# Altium PCB PCB.PcbDoc
Units mm, origin at the board's own origin, x right, y up, seen from the top; angles counter-clockwise.
Board outline 100 x 100 mm, 2 copper layers (Top Layer, Bottom Layer); 89 components, 57 nets, 319 pads, 253 vias.
Unrouted connection lines stored in the file: 9.
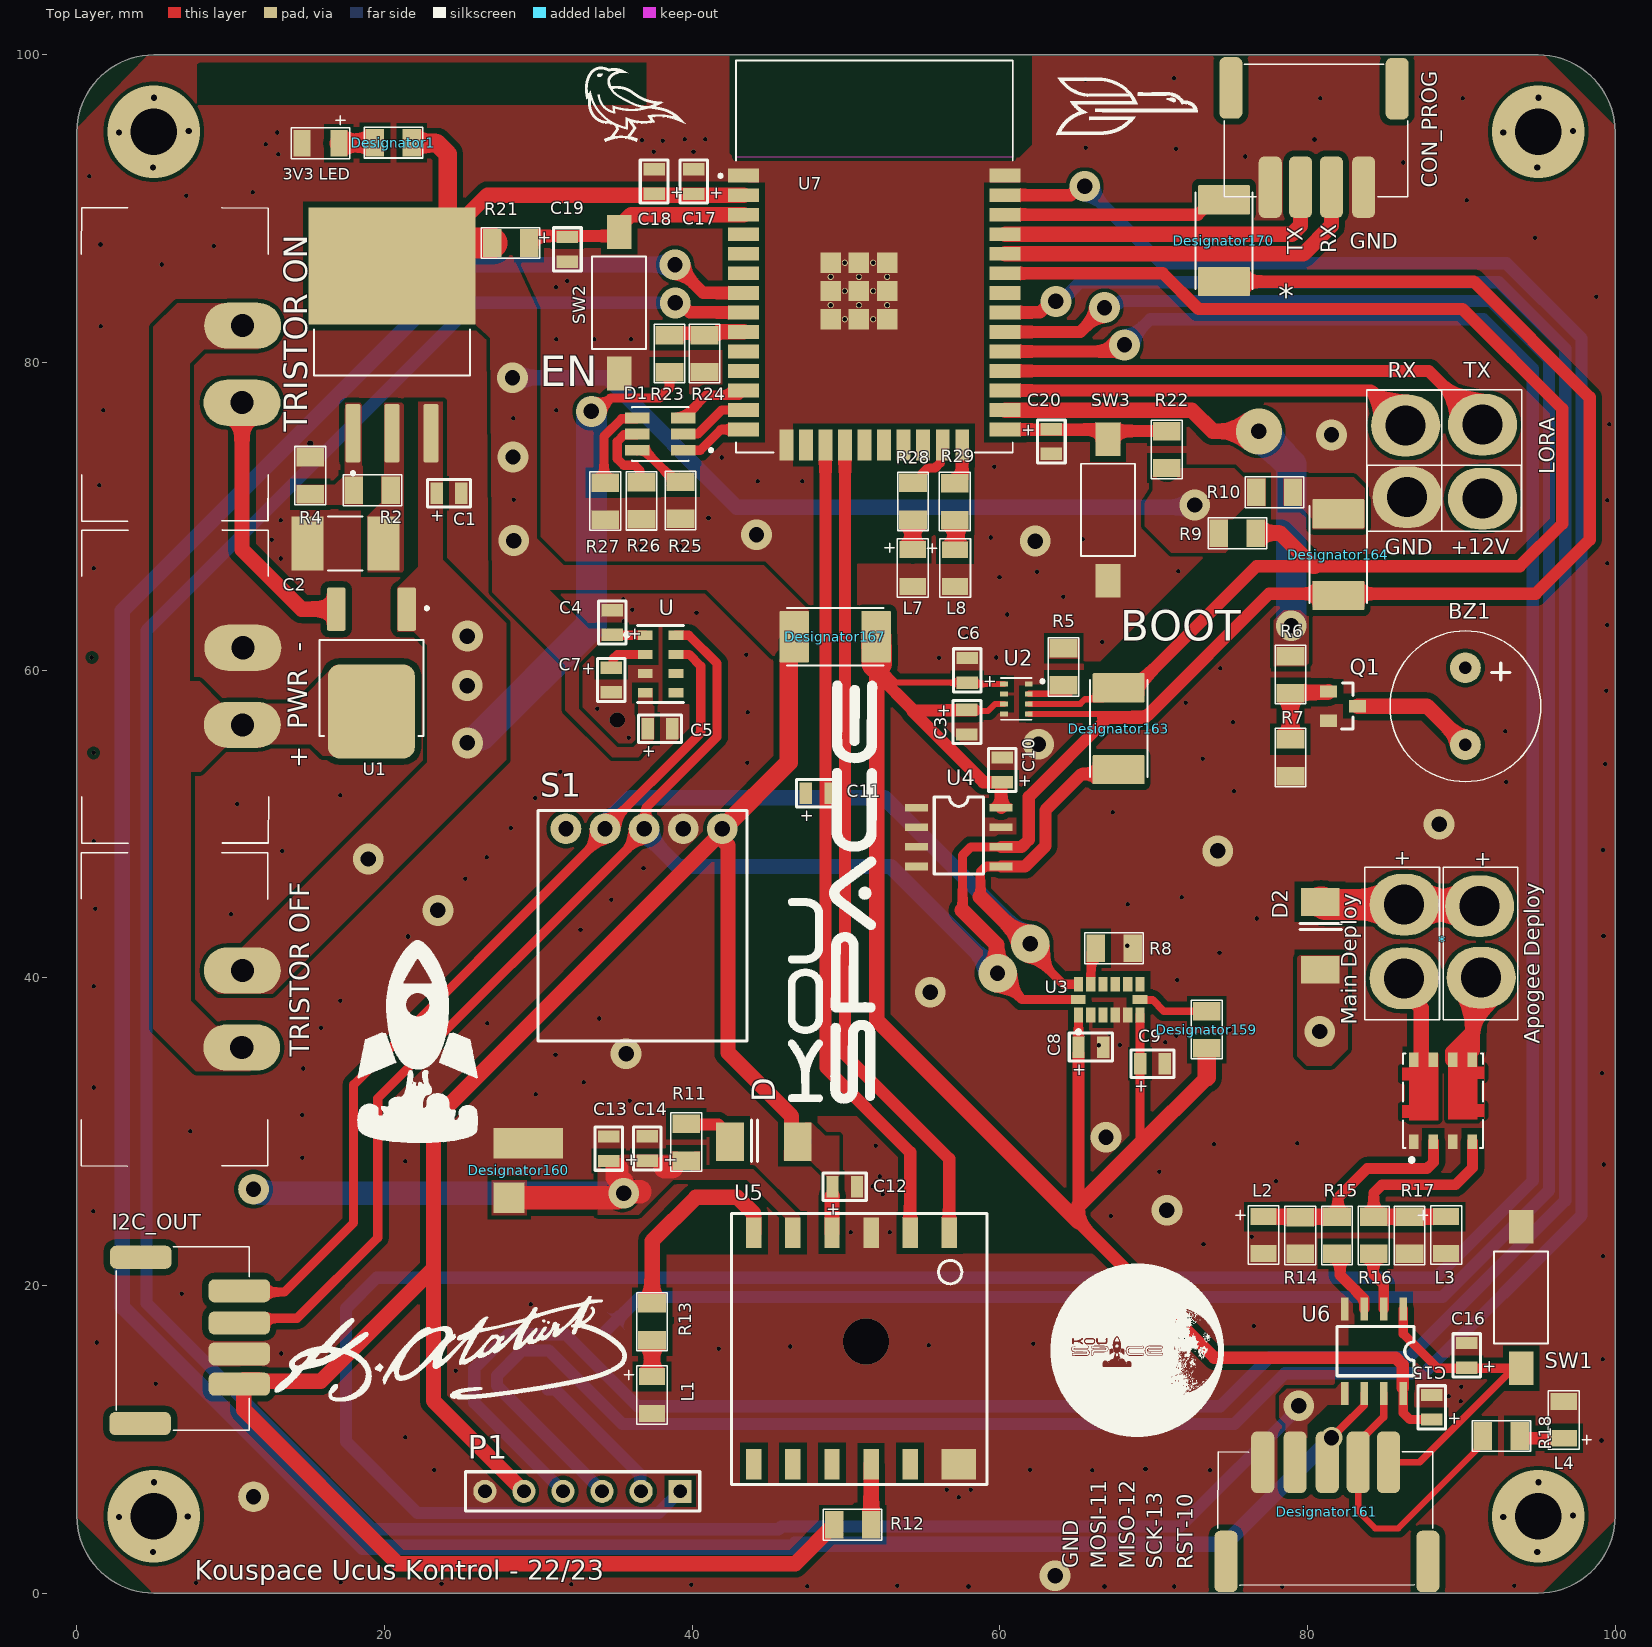
[diagram p0: Top Layer view]
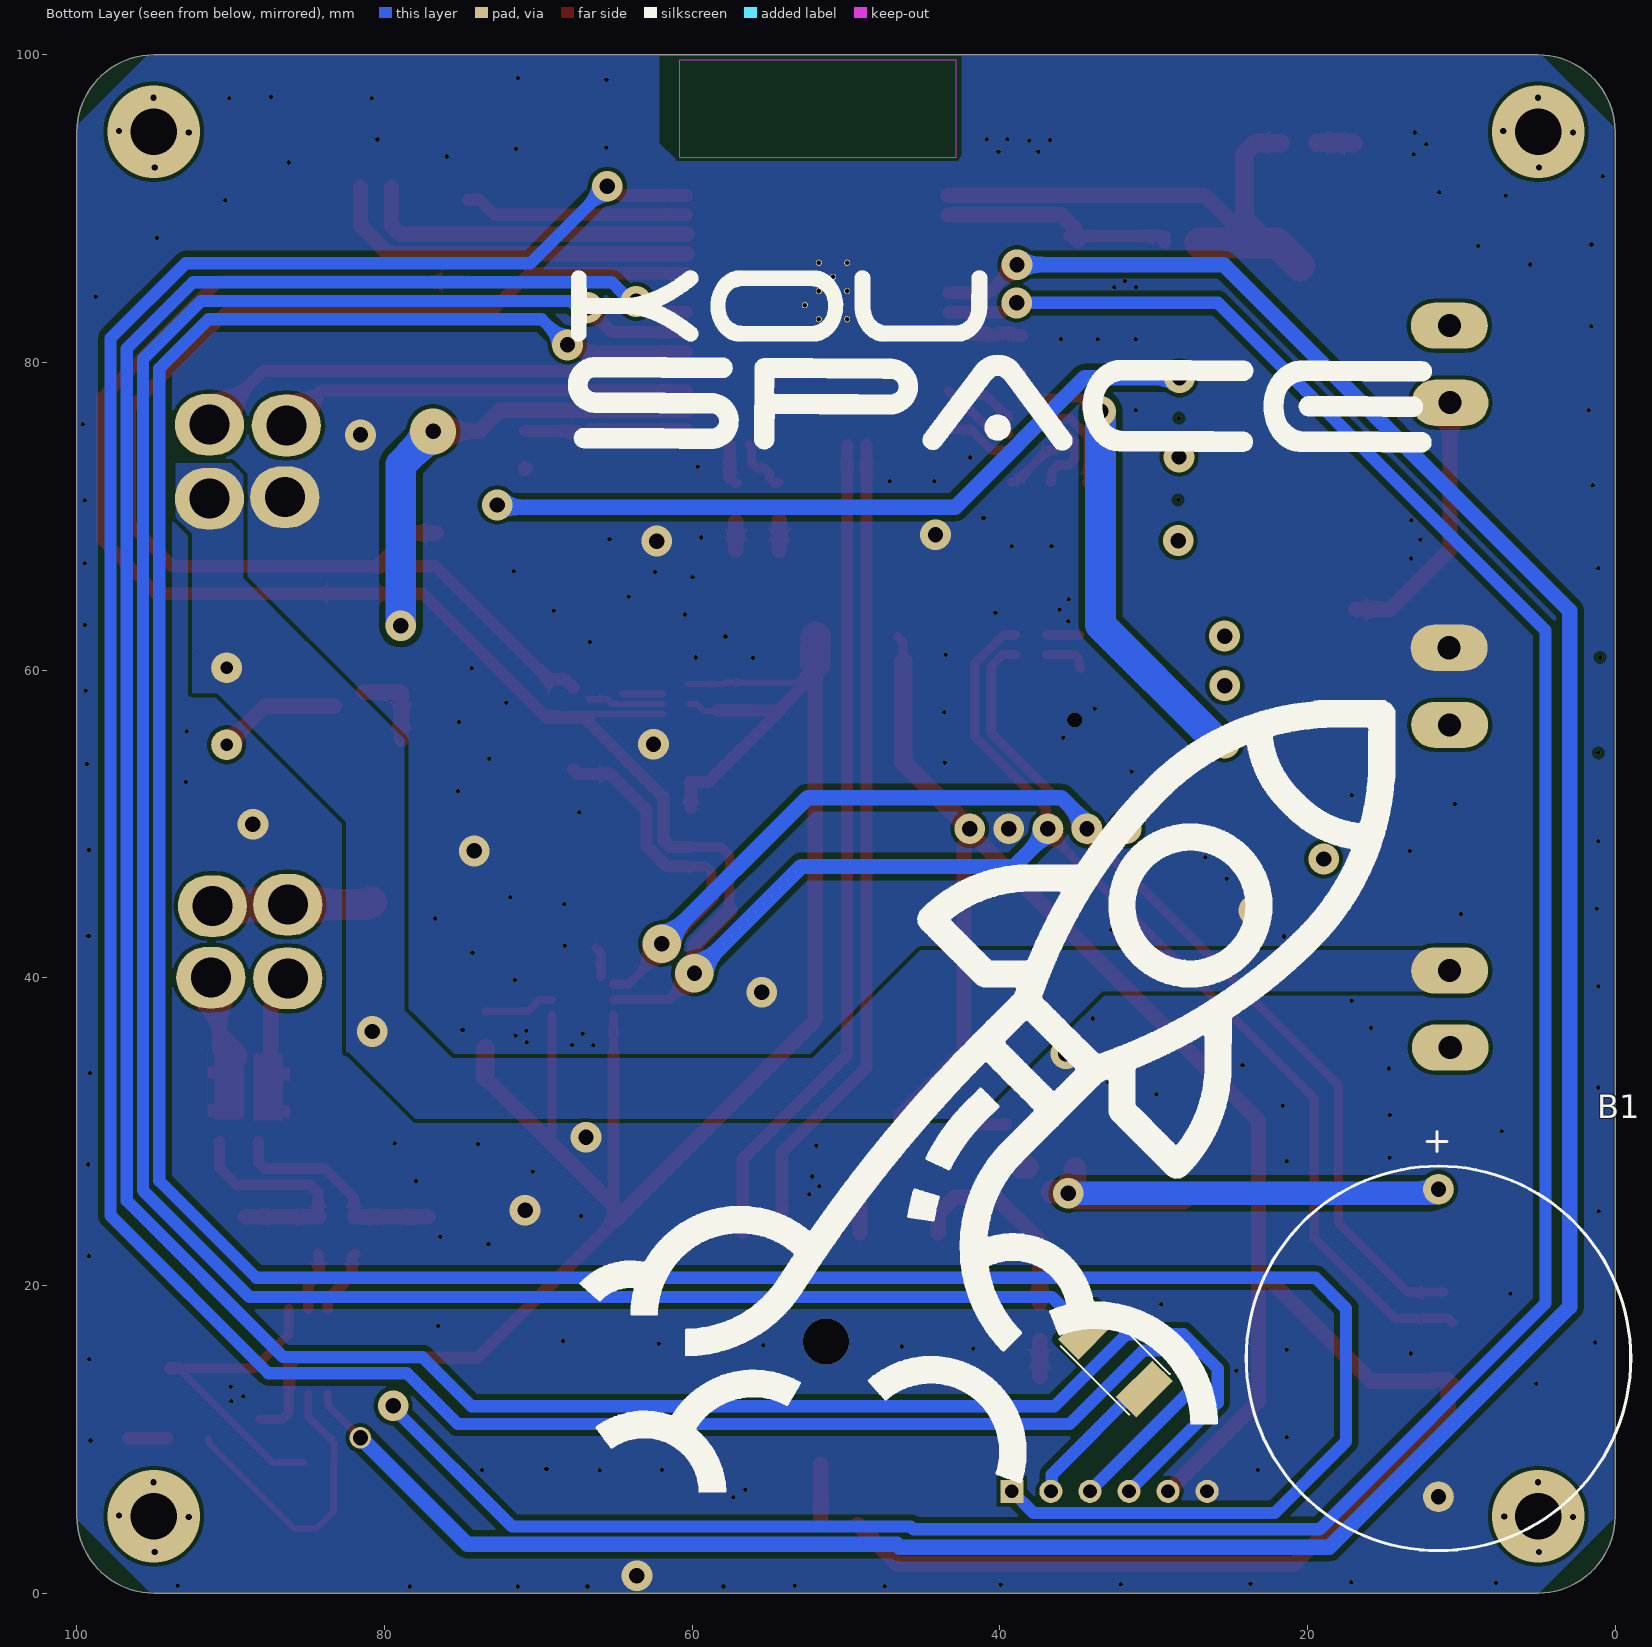
[diagram p1: Bottom Layer view, seen from below]
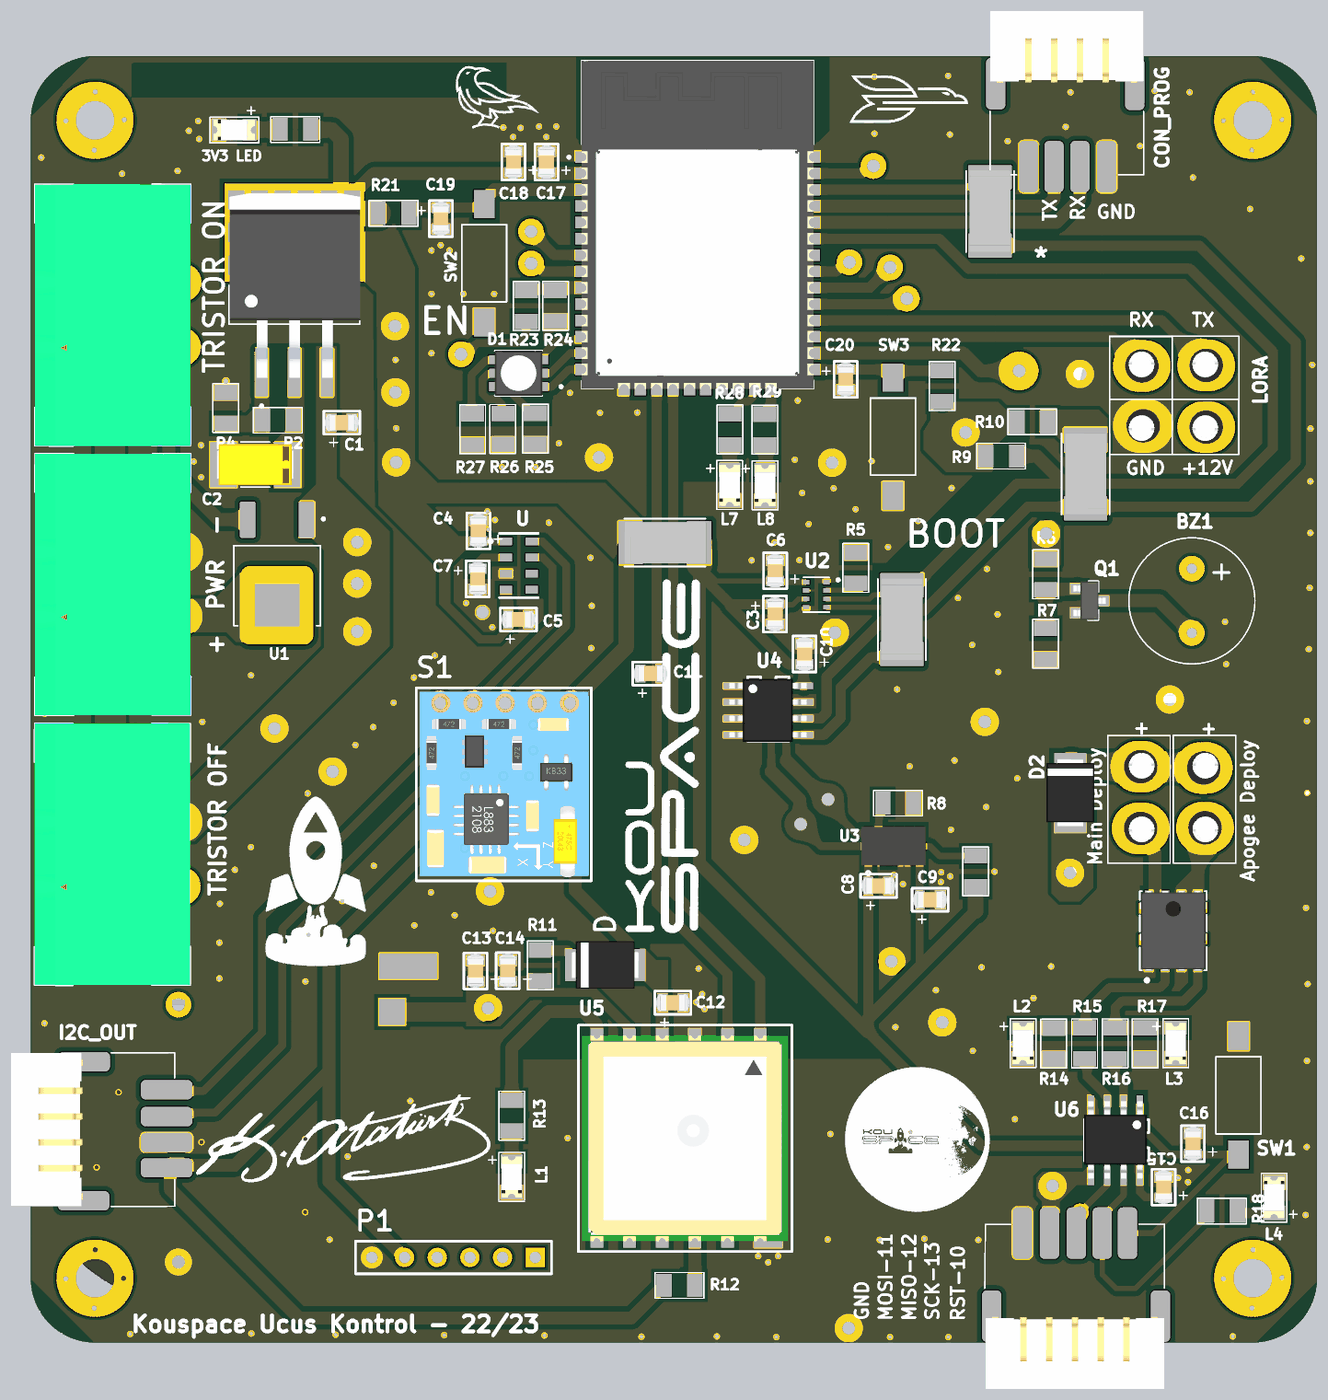
[diagram p2: 3D render of the assembled board from above, using the file's embedded part models]

## Layer stack, top to bottom
Top Solder: solder mask 0.0102, Solder Resist, Dk 3.5
Top Layer: signal copper 0.0356
Dielectric 1: dielectric 0.32, FR-4, Dk 4.8
Bottom Layer: signal copper 0.0356
Bottom Solder: solder mask 0.0102, Solder Resist, Dk 3.5

## Board outline
0,5 0,95 cw(c5,95) 5,100 95,100 cw(c95,95) 100,95 100,5 cw(c95,5) 95,0 5,0 cw(c5,5)

## Design rules (kind name [scope] priority, off if disabled: settings)
Clearance [All] p1: gap=0.254 ignorepadtopadclearanceinfootprint=FALSE except(0: Arc-Hole Track-Hole SMDPad-Hole THPad-Hole Via-Hole Fill-Hole Poly-Hole Region-Hole Text-Hole; 0.2: Arc-SMDPad Track-SMDPad SMDPad-SMDPad; 0.3: Track-Region; 0.4: Track-Poly SMDPad-Poly)
PlaneClearance [InNet('+3V3') And OnLayer('Top Layer')] p1: clearance=0
PlaneConnect [All] p1: pad.planeconnectstyle=Direct pad.reliefexpansion=0.508 pad.reliefentries=4 pad.reliefconductorwidth=0.254 pad.reliefairgap=0.254 via.planeconnectstyle=Relief via.reliefexpansion=0.508 via.reliefentries=4 via.reliefconductorwidth=0.4 via.reliefairgap=0.254
PolygonConnect [All] p1: connectstyle=Direct reliefconductorwidth=0.4 reliefentries=4 polygonreliefangle="90 Angle" airgapwidth=0.254
RoutingVias [All] p1: holewidth=1 width=1.27 viastyle="Through Hole" minholewidth=0.3 minwidth=1.27 maxholewidth=3 maxwidth=1.27
SolderMaskExpansion [All] p1: expansion=0.102 istentingtop=FALSE
Width [All] p1: maxlimit=2 minlimit=0.254 preferedwidth=0.254
28 further rules are at their usual default settings.

## Classes and differential pairs
component class İşlemci: C17 C18 C19 C20 D1 L7 L8 R21 R22 R23 R24 R25 R26 R27 R28 R29 SW2 SW3 U7
component class Sensor: B1 BZ1 C3 C4 C5 C6 C7 C8 C9 C10 C11 C12 C13 C14 D L1 P1 Q1 R5 R6 R7 R8 R9 R10 R11 R12 R13 S1 U U2 U3 U4 U5
component class Power: "3V3 LED" "+  PWR  -" C1 C2 R2 R4 "TRISTOR OFF" "TRISTOR ON" U1
component class Motor_Kontrol: C15 C16 CON1 D2 L2 L3 L4 R14 R15 R16 R17 R18 SW1 U6

## Components (designator, comment, footprint, x,y, rotation, side; value= is the part's Value field where it differs from the comment)
"3V3 LED" "LM1085IS-ADJ" TO254P1524X483-4N 20.488,81.803 r90 top (schematic designator VR)
* "GX-16 CON- 4P" "GX-16 CON"#1 88.641,42.315 r0 top
* "STL8DN10FL3" TRANS_STL60P4LLF6 88.821,32.01 r90 top
* "GX-16 CON- 4P" "GX-16 CON"#2 89.033,73.606 r180 top
"+  PWR  -" "Klemens-Screw" Klemens-ScrewMount 10.774,58.951 r90 top (schematic designator KLM)
B1 "CR2032 Battery Holder" CR2032 11.482,16.261 r270 bottom
BZ1 "Buzzer" CMI-9605IC 90.267,57.654 r0 top
C1 "10uF" CAP_805 24.185,71.499 r0 top
C2 "T491C106K025AT" CAPPC6032X280N 17.453,68.242 r180 top
C3 "100nF" CAP_805 57.864,56.621 r270 top
C4 "100nF" CAP_805 34.802,63.095 r90 top
C5 "10uF" CAP_805 37.914,56.198 r0 top
C6 "100nF" CAP_805 57.876,59.991 r90 top
C7 "100nF" CAP_805 34.742,59.362 r270 top
C8 "100nF" CAP_805 65.914,35.5 r0 top
C9 "10uF" CAP_805 69.923,34.42 r0 top
C10 "100nF" CAP_805 60.161,53.52 r90 top
C11 "100nF" CAP_805 48.189,51.999 r0 top
C12 "100nF" CAP_805 49.918,26.415 r0 top
C13 "100nF" CAP_805 34.576,28.89 r90 top
C14 "100nF" CAP_805 37.084,28.901 r90 top
C15 "CAP 1uF" CAP_805 88.073,12.082 r90 top
C16 "CAP 1uF" CAP_805 90.353,15.46 r90 top
C17 "100nF" CAP_805 40.098,91.759 r90 top
C18 "100nF" CAP_805 37.525,91.769 r90 top
C19 "100nF" CAP_805 31.888,87.36 r270 top
C20 "100nF" CAP_805 63.355,74.866 r270 top
CON_PROG "SMD JST 4P" L-KLS1-XL1-4P 80.425,94.626 r0 top
D "S3M Diyot" DO214AA 44.657,29.352 r180 top
D1 "ASMB-TTF2-0B20B" LED_ASMB-TTF2-0B20B 37.926,75.352 r180 top
D2 "S3M Diyot" DO214AA 80.818,42.734 r90 top
Designator1 "Comment" RES_1206 20.575,94.297 r0 top
Designator159 "Comment" RES_1206 73.457,36.63 r90 top
Designator160 "Comment" MS621FE_GPS_PIL 31.975,24.351 r90 top
Designator161 "Comment" L-KLS-XL1-5P 81.265,5.282 r180 top
Designator163 "Comment" RESC6331X70N 67.725,56.198 r90 top
Designator164 "Comment" RESC6331X70N 82.008,67.512 r90 top
Designator167 "Comment" RESC6331X70N 49.3,62.178 r0 top
Designator170 "Comment" RESC6331X70N 74.573,87.92 r90 top
I2C_OUT "SMD JST 4P" L-KLS1-XL1-4P 7.337,16.429 r90 top (schematic designator CON_PROG)
L1 "Led Red" "Led 1206" 37.391,12.884 r270 top
L2 "Led Red" "Led 1206" 77.142,23.274 r270 top
L3 "Led Red" "Led 1206" 89.015,23.275 r270 top
L4 "Led Red" "Led 1206" 96.662,11.266 r90 top
L7 "Led Red" "Led 1206" 54.335,66.653 r270 top
L8 "Led Red" "Led 1206" 57.094,66.63 r270 top
P1 "Header 6" HDR1X6 39.221,6.618 r180 top
Q1 "SSM3K357R,LF" SOT-23F 82.316,57.662 r270 top
R2 "120R" RES_1206 19.211,71.694 r180 top
R4 "200R" RES_1206 15.166,72.641 r270 top
R5 "4.7K" RES_1206 64.141,60.217 r270 top
R6 "150R" RES_1206 78.898,59.713 r90 top
R7 "1K" RES_1206 78.894,54.315 r90 top
R8 "10K" RES_1206 67.436,41.929 r180 top
R9 "4.7K" RES_1206 75.444,68.906 r0 top
R10 "4.7K" RES_1206 77.86,71.574 r0 top
R11 "4.7K" RES_1206 39.619,29.314 r270 top
R12 "4.7K" RES_1206 50.434,4.445 r180 top
R13 "220R" RES_1206 37.394,17.641 r270 top
R14 "4.7K" RES_1206 79.525,23.249 r270 top
R15 "150R" RES_1206 81.926,23.255 r90 top
R16 "150R" RES_1206 84.311,23.255 r90 top
R17 "4.7K" RES_1206 86.637,23.258 r90 top
R18 "220R" RES_1206 92.6,10.218 r180 top
R21 "RES 1K 1206" RES_1206 28.197,87.773 r180 top
R22 "RES 1K 1206" RES_1206 70.851,74.344 r270 top
R23 "RES 1K 1206" RES_1206 38.523,80.575 r90 top
R24 "RES 1K 1206" RES_1206 40.8,80.585 r270 top
R25 "220R" RES_1206 39.235,71.035 r90 top
R26 "220R" RES_1206 36.704,71.013 r90 top
R27 "220R" RES_1206 34.352,70.99 r90 top
R28 "220R" RES_1206 54.358,70.981 r90 top
R29 "220R" RES_1206 57.07,70.957 r90 top
S1 "HMC5883L" HMC5883L 36.874,49.691 r270 top
SW1 "1437566-3" SW_1437566-3 93.89,19.217 r90 top
SW2 "1437566-3" SW_1437566-3 35.251,83.886 r270 top
SW3 "1437566-3" SW_1437566-3 67.03,70.42 r270 top
"TRISTOR OFF" "Klemens-Screw" Klemens-ScrewMount 10.736,37.971 r90 top (schematic designator KLM2)
"TRISTOR ON" "Klemens-Screw" Klemens-ScrewMount 10.754,79.894 r90 top (schematic designator KLM1)
U "MPL3115A2" PSON125P300X500X120-8N 37.947,60.402 r0 top
U1 "CLA5UE" DPAK229P990X239-4N 19.15,59.825 r180 top
U2 "BMP280" XDCR_BMP280 61.076,58.127 r0 top
U3 "ADXL345BCCZ-RL" PQFN80P300X500X79-14N 67.11,38.584 r90 top
U4 "24LC512" soic-8 57.336,49.146 r270 top
U5 "L80 GPS" L-80 50.67,15.87 r90 top
U6 "ATTINY45" soic-8 84.321,15.731 r180 top
U7 "ESP32-WROOM-32D" MODULE_ESP32-WROOM-32D 51.841,86.89 r0 top
? "Comment" RESC6331X70N 32.493,15.142 r45 bottom
? "Comment" "Led 1206" 15.83,94.255 r180 top

## Footprints (in the part's own frame and the unit in brackets; to place one, negate y for a bottom-side part, rotate by r counter-clockwise, add the part's x,y. Pads: shape width x height; smd on the part's side, far side on the other; paste and mask are expansions set on the pad)
CAP_805 [mm]
  rect 0.8x1.4 smd mask+0.05: 1(-0.8,0) 2(0.8,0)
  silkscreen extent -1.4,-0.9 1.4,0.9, body extent -1.3,-0.68 1.3,0.68, height 0.9
CAPPC6032X280N [mm]
  rect 2.07x3.51 smd: 1(-2.471,0) 2(2.471,0)
  silkscreen extent -1.12,-1.75 1.12,1.75, body extent -3,-1.6 3,1.6, height 2.8
CMI-9605IC [mm]
  round 2 hole 0.8 mask+0.05: 1(0,2.5) 2(0,-2.5)
  silkscreen extent -4.9,-4.9 4.9,4.9, body extent -4.8,-4.8 4.8,5.9, height 5.2
CR2032 [mm]
  round 2 hole 1 mask+0.05: 1(-10,0) 2(10,0)
  silkscreen extent -13.75,-12.5 13.5,12.5, body extent -11.25,-11.05 13.04,11.05, height 8.7
DO214AA [mm]
  rect 1.8x2.5 smd mask+0.05: 1(-2.2,0) 2(2.2,0)
  silkscreen extent 0.4,-1.4 0.8,1.3, body extent -2.65,-1.85 2.65,1.85, height 2.3
DPAK229P990X239-4N [mm]
  rrect25% 1.22x2.83 smd: 1(-2.29,-4.14) 3(2.29,-4.14)
  rrect25% 5.63x6.1 smd paste-4: 4(0,2.51)
  silkscreen extent -3.7,-4.3 3.37,4.1
"GX-16 CON"#1 [mm]
  oval 4.5x4 hole 2.6: 1(-2.35,2.45) 2(2.55,2.35) 3(2.65,-2.3) ""(-2.35,-2.35)
  body extent -10.77,-9.45 11.17,9.55, height 3.5
"GX-16 CON"#2 [mm]
  oval 4.5x4 hole 2.6: 1(-2.35,2.45) 2(2.55,2.35) 3(2.65,-2.3) 4(-2.35,-2.35)
  body extent -10.77,-9.45 11.17,9.55, height 3.5
HDR1X6 [mm] "Connector; Header; 6 Position"
  rect 1.5x1.5 hole 0.9: 1(0,0)
  round 1.5 hole 0.9: 2(2.54,0) 3(5.08,0) 4(7.62,0) 5(10.16,0) 6(12.7,0)
  silkscreen extent -1.27,-1.27 13.97,1.27
HMC5883L [mm]
  round 2 hole 1 mask+0.05: 1(0,5.08) 2(0,2.54) 3(0,0) 4(0,-2.54) 5(0,-5.08)
  silkscreen extent -1.2,-6.9 13.8,6.7, body extent -0.92,-6.65 13.52,6.51, height 2.65
Klemens-ScrewMount [mm]
  oval 3x5 hole 1.5: 1(-2.505,0.02) 2(2.505,-0.02)
  silkscreen extent -10.21,-1.69 10.16,10.46, body extent -10.18,-1.66 10.14,10.44, height 8.2
L-80 [mm]
  rect 2x1 smd mask+0.05: 1(7.55,-6.04) 2(7.55,-3.5) 3(7.55,-0.96) 4(7.55,1.58) 5(7.55,4.12) 6(7.55,6.66) 7(-7.5,6.66) 8(-7.5,4.12) 9(-7.5,1.58) 10(-7.5,-0.96) 11(-7.5,-3.5)
  rect 2x2.25 smd mask+0.05: 12(-7.5,-6.66)
  silkscreen extent -8.8,-8.5 8.8,8.1, body extent -8,-8.2 8,7.8, height 7.05
L-KLS1-XL1-4P [mm]
  rrect50% 1.5x4 smd: 1(-2.845,-3.225) 2(-0.875,-3.225) 3(1.135,-3.225) 4(3.225,-3.225) ""(-5.405,3.225) ""(5.405,3.175)
  silkscreen extent -5.84,-3.86 6.1,4.77, body extent -5.81,-3.86 6.09,4.75, height 5.61
L-KLS-XL1-5P [mm]
  rrect50% 1.5x4 smd: 1(-4.002,-3.225) 2(-2.033,-3.225) 3(-0.022,-3.225) 4(2.067,-3.225) 4(4.172,-3.225) ""(-6.562,3.225) ""(6.562,3.225)
  silkscreen extent -6.87,-3.92 7.09,4.76, body extent -6.87,-3.87 7.03,4.74, height 5.61
"Led 1206" [mm]
  rect 1.1x1.7 smd mask+0.05: 1(-1.2,0) 2(1.2,0)
  silkscreen extent -1.9,-1.8 1.9,1, body extent -1.59,-0.8 1.61,0.8, height 1.1
LED_ASMB-TTF2-0B20B [mm]
  rect 1.6x0.7 smd: 1(-1.5,1.05) 2(1.5,1.05) 3(-1.5,0) 4(1.5,0) 5(-1.5,-1.05) 6(1.5,-1.05)
  silkscreen extent -3.4,-1.75 1.85,1.75, body extent -1.85,-1.75 1.85,1.75, height 1.7
MODULE_ESP32-WROOM-32D [mm]
  rect 2x0.9 smd: 1(-8.5,5.26) 2(-8.5,3.99) 3(-8.5,2.72) 4(-8.5,1.45) 5(-8.5,0.18) 6(-8.5,-1.09) 7(-8.5,-2.36) 8(-8.5,-3.63) 9(-8.5,-4.9) 10(-8.5,-6.17) 11(-8.5,-7.44) 12(-8.5,-8.71) 13(-8.5,-9.98) 14(-8.5,-11.25) 25(8.5,-11.25) 26(8.5,-9.98) 27(8.5,-8.71) 28(8.5,-7.44) 29(8.5,-6.17) 30(8.5,-4.9) 31(8.5,-3.63) 32(8.5,-2.36) 33(8.5,-1.09) 34(8.5,0.18) 35(8.5,1.45) 36(8.5,2.72) 37(8.5,3.99) 38(8.5,5.26)
  rect 0.9x2 smd: 15(-5.715,-12.25) 16(-4.445,-12.25) 17(-3.175,-12.25) 18(-1.905,-12.25) 19(-0.635,-12.25) 20(0.635,-12.25) 21(1.905,-12.25) 22(3.175,-12.25) 23(4.445,-12.25) 24(5.715,-12.25)
  rect 1.33x1.33 smd: 39_1(-2.835,-0.405) 39_2(-1,-0.405) 39_3(0.835,-0.405) 39_4(-2.835,-2.24) 39_5(-1,-2.24) 39_6(0.835,-2.24) 39_7(-2.835,-4.075) 39_8(-1,-4.075) 39_9(0.835,-4.075)
  round 0.4 hole 0.3: 39_10(-1.917,-0.405) 39_11(-0.082,-0.405) 39_12(-2.835,-1.322) 39_13(-1,-1.322) 39_14(0.835,-1.322) 39_15(-1.917,-2.24) 39_16(-0.082,-2.24) 39_17(-2.835,-3.157) 39_18(-1,-3.157) 39_19(0.835,-3.157) 39_20(-1.917,-4.075) 39_21(-0.082,-4.075)
  Keep-Out Layer region: 9,6.45 -9,6.45 -9,12.75 9,12.75
  silkscreen extent -10.1,-12.75 9,12.75, body extent -9,-12.75 9,12.75, height 3.25
MS621FE_GPS_PIL [mm]
  rect 2x4.5 smd: 1(4.9,2.625)
  rect 2x2 smd: 2(1.35,3.875)
PQFN80P300X500X79-14N [mm]
  rect 0.95x0.6 smd: 1(-1,2) 2(-1,1.2) 3(-1,0.4) 4(-1,-0.4) 5(-1,-1.2) 6(-1,-2) 8(1,-2) 9(1,-1.2) 10(1,-0.4) 11(1,0.4) 12(1,1.2) 13(1,2)
  rect 0.6x0.95 smd: 7(0,-2) 14(0,2)
  silkscreen extent -2.24,1.86 -1.96,2.14, body extent -1.5,-2.46 1.5,2.54, height 1
PSON125P300X500X120-8N [mm]
  rect 0.95x0.6 smd: 1(-1,1.875) 2(-1,0.625) 3(-1,-0.625) 4(-1,-1.875) 5(1,-1.875) 6(1,-0.625) 7(1,0.625) 8(1,1.875)
  silkscreen extent -2.34,-2.5 1.5,2.5, body extent -1.5,-2.63 1.5,2.37, height 1.1
RES_1206 [mm]
  rect 1.2x1.8 smd mask+0.05: 1(-1.2,0) 2(1.2,0)
  silkscreen extent -1.9,-1 1.9,1, body extent -1.57,-0.82 1.57,0.82, height 0.53
RESC6331X70N [mm]
  rrect7% 1.9x3.37 smd: 1(-2.66,0) 2(2.66,0)
  silkscreen extent -3.15,-1.87 3.15,1.87, body extent -3.15,-1.6 3.2,1.6, height 0.58
soic-8 [mm]
  rect 0.5x1.5 smd mask+0.05: 1(-1.905,-2.75) 2(-0.635,-2.75) 3(0.635,-2.75) 4(1.905,-2.75) 5(1.905,2.75) 6(0.635,2.75) 7(-0.635,2.75) 8(-1.905,2.75)
  silkscreen extent -2.6,-1.6 2.4,1.6, body extent -2.46,-3.02 2.44,2.97, height 1.75
SOT-23F [mm]
  rect 0.8x1.1 smd mask+0.05: 1(-0.95,-0.95) 2(0.95,-0.95) 3(0,0.95)
  silkscreen extent -1.5,-0.1 1.47,0.65, body extent -1.5,-1.25 1.5,1.25, height 1.1
SW_1437566-3 [mm]
  rect 2.18x1.6 smd: 1(-4.6,0) 2(4.6,0)
  silkscreen extent -3,-1.75 3,1.75
TO254P1524X483-4N [mm]
  rrect25% 3.79x0.99 smd: 1(-6.4,2.54) 2(-6.4,0) 3(-6.4,-2.54)
  rect 7.62x10.84 smd paste-6: 4(4.48,0)
  silkscreen extent -9.1,-5.08 0.35,5.08, body extent -6.81,-5.12 7.55,5.04, height 4.65
TRANS_STL60P4LLF6 [mm]
  rect 0.94x0.62 smd: 1(-2.655,1.905) 2(-2.655,0.635) 3(-2.655,-0.635) 4(-2.655,-1.905) 7(2.655,0.635) 8(2.655,1.905) ""(2.655,-1.905) ""(2.655,-0.635)
  Top Layer region: 2.22,-2.66 3.145,-2.66 -1.18,-2.66 -1.03,-2.66 -1.03,-2.19 -0.23,-2.19 -0.23,-2.66 1.42,-2.66 1.42,-2.19 2.22,-2.19
  Top Layer region: 2.145,2.2 3.07,2.2 3.07,1.595 2.605,1.595 2.605,0.935 3.07,0.935 3.07,0.325 2.605,0.325 -1.255,0.325 -1.255,2.2 -1.105,2.2 -1.105,2.67 -0.305,2.67 -0.305,2.2 1.345,2.2 1.345,2.67 2.145,2.67
  Top Layer region: 3.115,-0.335 3.115,-0.94 2.65,-0.94 2.65,-1.6 3.115,-1.6 3.115,-2.21 2.65,-2.21 -1.21,-2.21 -1.21,-0.335 -1.06,-0.335 -0.26,-0.335
  silkscreen extent -3.95,-2.6 3.08,2.6, body extent -3.08,-2.6 3.08,2.6, height 1
XDCR_BMP280 [mm]
  rect 0.5x0.35 smd: 1(0.8,0.975) 2(0.8,0.325) 3(0.8,-0.325) 4(0.8,-0.975) 5(-0.8,-0.975) 6(-0.8,-0.325) 7(-0.8,0.325) 8(-0.8,0.975)
  silkscreen extent -1,-1.35 1.8,1.35

## Part data
"3V3 LED": "3-A, 29-V, linear voltage regulator 3-DDPAK/TO-263", Package="TO-263-3 Texas Instruments", Arrow_Electronics-Purchase-URL=https://snapeda.com/shop?store=Arrow+Electronics&id=213969, Availability=Unavailable, DigiKey-Purchase-URL=https://snapeda.com/shop?store=DigiKey&id=213969, MF="Texas Instruments", Mouser-Purchase-URL=https://snapeda.com/shop?store=Mouser&id=213969, MP=LM1085IS-ADJ, Price=None, SnapEDA_Link=https://www.snapeda.com/parts/LM1085IS-ADJ/Texas%20Instruments/view-part/213969/?ref=snap
B1: "Battery Holder"
BZ1: library part BUZZER, Designed by="Ahmet Azboy"
C1 C3 C4 C5 C6 C7 C8 C9 C10 C11 C12 C13 C14 C17 C18 C19 C20: library part "CAP 1uF", "0805 smd"
C2: "10 ÂµF Molded Tantalum Capacitors 25 V 2312 (6032 Metric) 1.5Ohm", Package="SMD-2 KEMET", Availability="In Stock", Check_prices=https://www.snapeda.com/parts/T491C106K025AT/KEMET/view-part/?ref=eda, MF=KEMET, MP=T491C106K025AT, Price=None, Purchase-URL=https://pricing.snapeda.com/search/part/T491C106K025AT/?ref=eda, SnapEDA_Link=https://www.snapeda.com/parts/T491C106K025AT/KEMET/view-part/?ref=snap
C15 C16: "0805 smd"